# Allegro board Microroc_Hardroc2b_Test_Board.brd (continued)
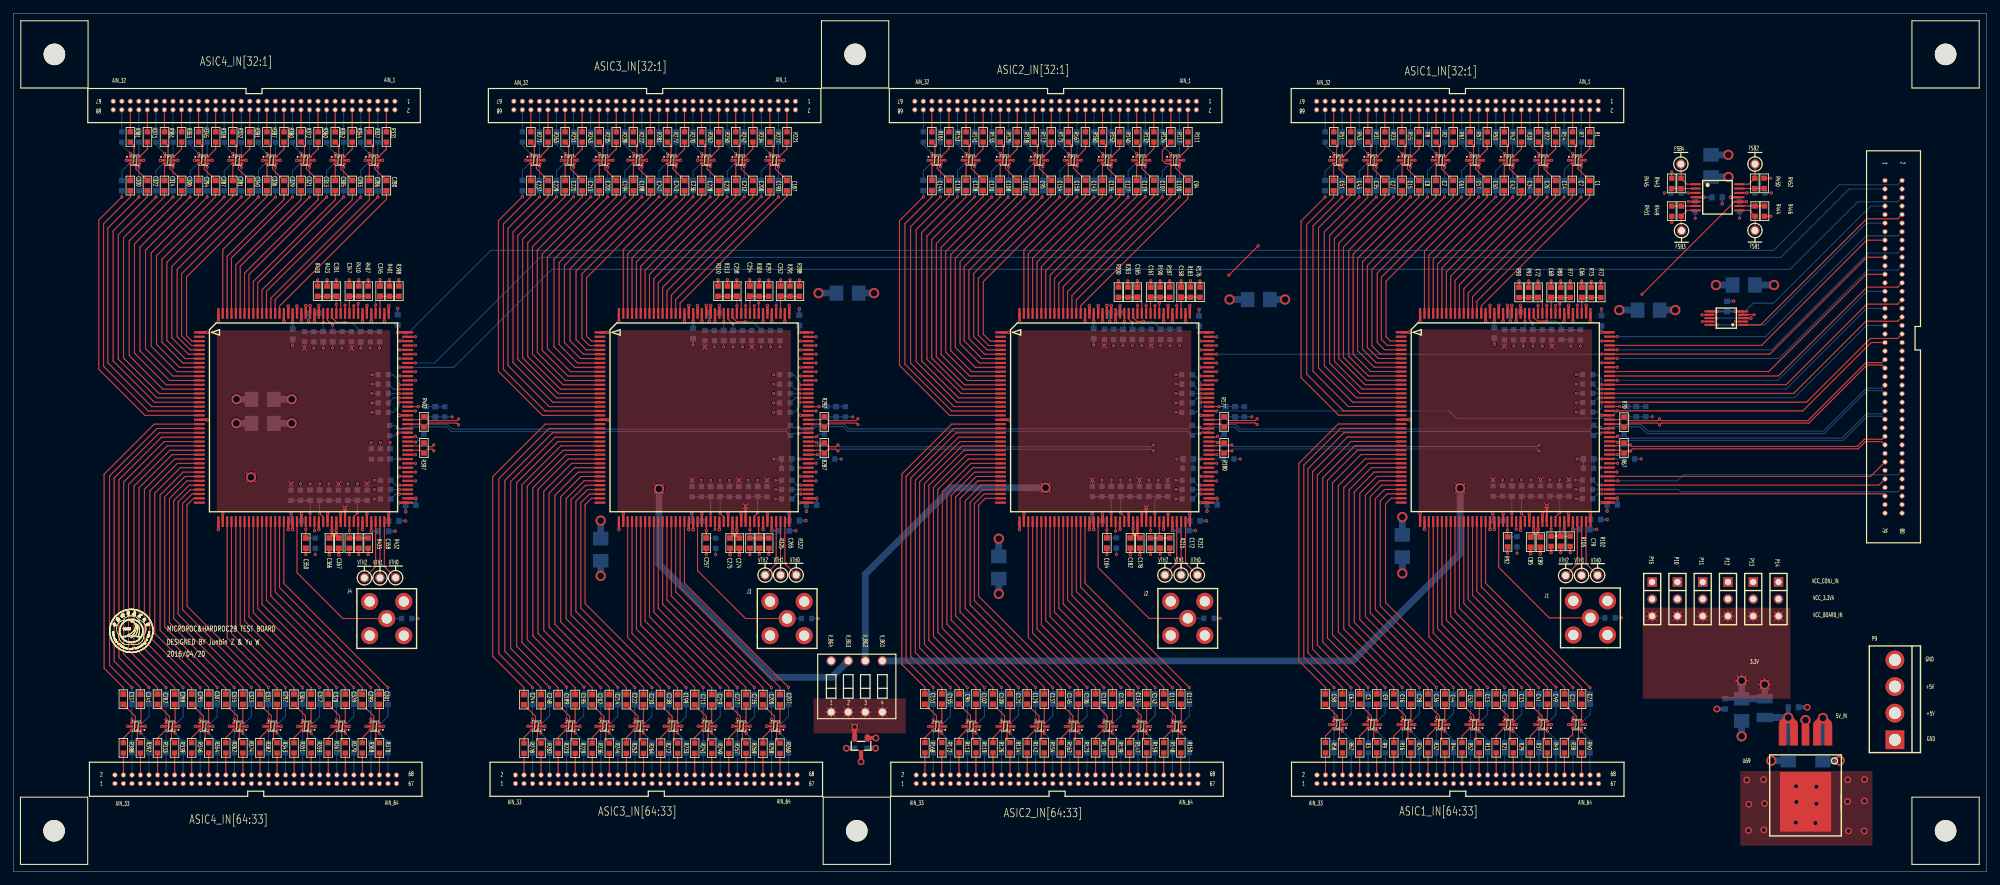
[diagram p0: board, top side]
## Routing (per net, layer and track width the routed paths; a pad name or vN(x,y) marks a point on that pad's centre or on a via; arc(x,y) is an arc through that point) (continued)
PWR_ON_A: length 230.7
  TOP w0.152: U34.89 177.87,60.14 v1(176.73,60.14) ; U17.89 v1(236.28,60.14) ; U51.89 118.26,60.14 v1(117.09,60.14) ; v1(57.52,60.14) 58.66,60.14 U68.89
  SIG w0.152: v1(57.52,60.14) v1(117.09,60.14) v1(176.73,60.14) v1(236.28,60.14) 270.86,60.14 276.15,65.43 280.42,65.43 U71.60
PWR_ON_ADC: length 227
  TOP w0.152: U68.88 v1(59.83,59.47) ; U34.88 177.91,59.49 v1(179.05,59.49) ; v1(119.43,59.49) 118.29,59.49 U51.88 ; U17.88 v1(238.61,59.49)
  SIG w0.152: v1(59.83,59.47) 59.84,59.49 v1(119.43,59.49) v1(179.05,59.49) v1(238.61,59.49) 273.81,59.49 275.95,61.62 280.42,61.62 U71.66
PWR_ON_D: length 229.7
  TOP w0.152: U34.90 177.91,60.79 v1(179.05,60.79) ; v1(119.43,60.79) 118.29,60.79 U51.90 ; U17.90 v1(238.73,60.79) ; U68.90 v1(59.83,60.77)
  SIG w0.152: U71.54 280.39,69.22 275.89,69.22 267.47,60.79 v1(238.73,60.79) v1(179.05,60.79) v1(119.43,60.79) 59.84,60.79 v1(59.83,60.77)
PWR_ON_DAC: length 225.6
  TOP w0.152: U68.87 58.66,58.84 v1(57.43,58.84) ; U51.87 118.26,58.84 v1(117.09,58.84) ; U34.87 177.87,58.84 v1(176.73,58.84) ; v1(236.39,58.84) U17.87 276.37,58.84 U71.67
  SIG w0.152: v1(236.39,58.84) v1(176.73,58.84) v1(117.09,58.84) v1(57.43,58.84)
RAZ_CHNN: length 230.6
  TOP w0.152: v1(119.55,64.78) 119.44,64.67 U51.96 ; U68.96 59.52,64.67 59.66,64.82 v1(59.83,64.82) ; U34.96 179.03,64.67 v1(179.17,64.82) ; U17.96 238.58,64.69 v1(238.73,64.84)
  SIG w0.152: v1(59.83,64.82) 60.11,64.54 119.3,64.54 v1(119.55,64.78) 119.81,64.52 124.59,64.52 124.6,64.53 178.88,64.53 v1(179.17,64.82) 179.45,64.54 238.43,64.54 v1(238.73,64.84)
  BOTTOM w0.152: v1(238.73,64.84) 239.39,64.84 R68.2 240.26,64.54 272.12,64.54 275.72,68.15 278.05,68.15 U71.55 ; R181.2 179.85,64.82 v1(179.17,64.82) ; R399.2 60.49,64.53 60.18,64.53 59.89,64.82 v1(59.83,64.82) ; v1(119.55,64.78) 119.89,65.13 R289.2
RAZ_CHNP: length 230.5
  TOP w0.152: U34.95 179.03,64.02 v1(179.17,63.88) ; v1(119.55,63.9) 119.42,64.02 U51.95 ; U68.95 59.58,64.02 59.66,63.94 v1(59.83,63.94) ; U17.95 238.6,64.04 v1(238.73,63.91)
  SIG w0.152: v1(238.73,63.91) 238.46,64.19 179.48,64.19 v1(179.17,63.88) 178.88,64.17 124.74,64.17 124.74,64.16 119.81,64.16 v1(119.55,63.9) 119.26,64.19 60.08,64.19 v1(59.83,63.94)
  BOTTOM w0.152: v1(59.83,63.94) 59.94,63.94 60.18,64.18 60.51,64.18 R399.1 ; U71.57 278.05,67.79 275.87,67.79 272.26,64.19 240.26,64.19 R68.1 239.37,63.91 v1(238.73,63.91) ; v1(179.17,63.88) 179.88,63.88 R181.1 ; R289.1 119.84,63.6 v1(119.55,63.9)
REF_2.5V: length 35.5
  TOP w0.127: 126.09,24.42 SW1.3 ; SW1.3 127.44,23.08 ; SW1.3 125.89,23.75 ; SW1.3 126.09,23.08 ; SW1.3 126.76,22.87 ; SW1.3 126.76,24.63 ; SW1.3 127.64,23.75 ; SW1.3 127.44,24.42 ; SW1.1 122.56,23.75 ; SW1.1 121.68,24.63 ; SW1.1 121.68,22.87 ; SW1.1 121.01,23.08 ; SW1.1 122.36,23.08 ; SW1.1 121.01,24.42 ; SW1.1 120.81,23.75 ; SW1.1 122.36,24.42 ; 124.65,21 v4(125.18,21.54) ; v4(125.18,21.54) 125.72,21 ; v4(125.18,21.54) 124.65,22.07 ; v4(125.18,21.54) 125.72,22.07 ; SW1.4 129.3,24.63 ; SW1.4 129.98,24.42 ; SW1.4 129.3,22.87 ; SW1.4 129.98,23.08 ; SW1.4 128.63,24.42 ; SW1.4 128.63,23.08 ; SW1.4 128.43,23.75 ; SW1.4 130.18,23.75 ; 124.22,22.87 SW1.2 ; SW1.2 124.22,24.63 ; SW1.2 123.35,23.75 ; SW1.2 123.55,23.08 ; SW1.2 123.55,24.42 ; SW1.2 124.9,24.42 ; SW1.2 124.9,23.08 ; SW1.2 125.1,23.75
  TOP w0.61: U70.2 v4(125.18,21.54)
  BOTTOM w0.61: v4(125.18,21.54) 125.18,19.9 C379.1
RESET_B: length 231.5
  TOP w0.152: v1(119.43,68.57) U51.102 ; U17.102 v1(238.67,68.59) 266.28,68.59 276.45,78.77 U71.39 ; v1(179.05,68.57) U34.102 ; U68.102 v1(59.83,68.57)
  SIG w0.152: v1(179.05,68.57) 175.81,68.57 174.04,66.8 135.38,66.8 133.61,68.57 v1(119.43,68.57) 115.64,68.57 113.77,66.7 75.79,66.7 73.92,68.57 v1(59.83,68.57)
  BOTTOM w0.152: v1(179.05,68.57) 213.65,68.57 214.74,67.48 237.54,67.48 238.64,68.59 v1(238.67,68.59)
RST_COUNTERB: length 232.2
  TOP w0.152: v1(179.05,73.12) U34.109 ; U17.109 v1(238.66,73.14) ; U68.109 v1(59.83,73.12) ; v1(119.43,73.12) U51.109
  SIG w0.152: v1(59.83,73.12) 74.24,73.12 75.64,74.52 115.36,74.52 116.76,73.12 v1(119.43,73.12) 134.57,73.12 135.89,74.45 174.09,74.45 175.42,73.12 v1(179.05,73.12) 190.75,73.12 192.15,74.52 234.77,74.52 236.16,73.14 v1(238.66,73.14)
  BOTTOM w0.152: U71.27 275.82,86.39 262.57,73.14 v1(238.66,73.14)
SELECT: length 233.9
  TOP w0.152: U17.114 v1(238.66,76.39) ; v1(176.73,76.38) 176.74,76.37 U34.114 ; v1(57.52,76.37) U68.114 ; v1(117.12,76.37) U51.114
  SIG w0.152: v1(57.52,76.37) v1(117.12,76.37) 119.43,76.37 119.44,76.38 v1(176.73,76.38) 238.65,76.38 v1(238.66,76.39)
  BOTTOM w0.152: v1(238.66,76.39) 262.72,76.39 275.89,89.56 280.42,89.56 U71.22
SR_CK: length 235.5
  TOP w0.152: U17.116 v1(238.66,77.69) ; v1(117.12,77.67) U51.116 ; v1(57.52,77.67) U68.116 ; v1(176.73,77.67) U34.116
  SIG w0.152: v1(238.66,77.69) 236.33,77.69 235.03,78.99 189.53,78.99 188.21,77.67 v1(176.73,77.67) v1(117.12,77.67) v1(57.52,77.67)
  BOTTOM w0.152: U71.18 280.42,92.1 276.05,92.1 261.64,77.69 v1(238.66,77.69)
SR_IN: length 47.5
  TOP w0.152: U71.15 275.79,94.01 260.13,78.34 U17.117
SR_OUT: length 234.6
  TOP w0.152: v1(57.52,78.97) 58.67,78.97 U68.118
  BOTTOM w0.152: U71.2 280.42,102.26 271.7,102.26 261.92,92.48 71.03,92.48 v1(57.52,78.97)
SR_RSTB: length 228.1
  TOP w0.152: v1(236.35,77.04) U17.115 261.37,77.04 275.79,91.47 U71.19 ; v1(119.43,77.02) U51.115 ; v1(59.83,77.02) U68.115 ; v1(179.05,77.02) U34.115
  SIG w0.152: v1(179.05,77.02) v1(119.43,77.02) v1(59.83,77.02)
  BOTTOM w0.152: v1(179.05,77.02) 236.33,77.02 v1(236.35,77.04)
START_ACQ: length 230.9
  TOP w0.152: v1(179.05,62.07) U34.92 ; v1(59.83,62.07) U68.92 ; U17.92 v1(238.67,62.09) ; v1(119.61,62.07) U51.92
  SIG w0.152: U71.48 280.42,73.05 275.82,73.05 264.86,62.09 v1(238.67,62.09) 179.06,62.09 v1(179.05,62.07) v1(119.61,62.07) v1(59.83,62.07)
START_READOUT1: length 49.3
  TOP w0.152: U17.110 262.64,73.79 275.87,87.02 280.42,87.02 U71.26
START_READOUT2: length 47
  TOP w0.152: U71.23 275.69,88.93 261.21,74.44 U17.111
TRANSMITON1B: length 239.4
  TOP w0.152: U51.106 v1(117.02,71.17) ; U71.34 280.42,81.94 275.67,81.94 264.92,71.19 U17.106 v1(236.35,71.19) ; U34.106 v1(176.73,71.17) ; U68.106 v1(57.41,71.17)
  SIG w0.152: v1(236.35,71.19) 235.15,71.19 234.49,70.54 192.43,70.54 191.79,71.17 v1(176.73,71.17) 175.16,71.17 174.47,70.48 135.99,70.48 135.3,71.17 v1(117.02,71.17) 115.47,71.17 114.81,70.51 75.92,70.51 75.26,71.17 v1(57.41,71.17)
  BOTTOM w0.152: v1(236.35,71.19) 235.06,71.19 R83.2 ; v1(117.02,71.17) 115.57,71.17 R303.2 ; v1(176.73,71.17) 175.41,71.17 R193.2 ; v1(57.41,71.17) 55.81,71.17 R413.2
TRANSMITON2B: length 237.8
  TOP w0.152: U34.107 v1(176.73,71.82) ; U68.107 v1(57.41,71.82) ; U51.107 v1(117.03,71.82) ; U17.107 v1(236.35,71.84)
  SIG w0.152: v1(57.41,71.82) v1(117.03,71.82) v1(176.73,71.82) 236.33,71.82 v1(236.35,71.84)
  BOTTOM w0.152: U71.31 275.82,83.85 263.81,71.84 v1(236.35,71.84) 235.81,71.84 R84.2 ; R304.2 116.31,71.82 v1(117.03,71.82) ; R414.2 56.55,71.82 v1(57.41,71.82) ; v1(176.73,71.82) 176.16,71.82 R194.2
TRIG_EXT: length 228.3
  TOP w0.152: v1(59.83,58.17) 59.79,58.17 59.78,58.17 U68.86 ; v1(119.43,58.17) U51.86 ; U17.86 v1(238.76,58.19) ; v1(179.05,58.17) U34.86
  SIG w0.152: v1(238.76,58.19) 234.59,58.19 233.78,57.38 218.31,57.38 217.52,58.17 v1(179.05,58.17) 174.73,58.17 174.09,57.53 155.29,57.53 154.65,58.17 v1(119.43,58.17) 115.12,58.17 114.5,57.56 99.87,57.56 99.26,58.17 v1(59.83,58.17)
  BOTTOM w0.152: U71.70 280.42,59.08 248.54,59.08 247.65,58.19 v1(238.76,58.19)
V_BG1: length 125
  TOP w0.127: v1(220.19,58.34) 220.53,58.68 ; v1(220.19,58.34) 219.85,58.01 ; v1(220.19,58.34) 219.85,58.68 ; v1(220.19,58.34) 220.53,58.01 ; 221.53,77.89 v1(221.87,78.23) ; v1(221.87,78.23) 221.53,78.57 ; v1(221.87,78.23) 222.21,77.89 ; v1(221.87,78.23) 222.21,78.57 ; 231.16,58.68 v1(231.5,58.34) ; v1(231.5,58.34) 231.16,58.01 ; v1(231.5,58.34) 231.83,58.01 ; v1(231.5,58.34) 231.83,58.68 ; v2(228.18,54.46) 228.53,54.1 ; v2(228.18,54.46) 227.82,54.81 ; v2(228.18,54.46) 227.82,54.1 ; v2(228.18,54.46) 228.53,54.81 ; 226.92,58.68 v1(227.25,58.34) ; v1(227.25,58.34) 227.59,58.68 ; v1(227.25,58.34) 226.92,58.01 ; v1(227.25,58.34) 227.59,58.01 ; 228.59,77.89 v1(228.93,78.23) ; v1(228.93,78.23) 229.26,77.89 ; v1(228.93,78.23) 229.26,78.57 ; v1(228.93,78.23) 228.59,78.57 ; v3(215.29,57.07) 216.01,57.79 ; v3(215.29,57.07) 216.01,56.36 ; v3(215.29,57.07) 214.58,56.36 ; v3(215.29,57.07) 214.58,57.79
  TOP w0.33: U17.70 v2(228.18,54.46)
  BOTTOM w0.152: v1(228.93,78.23) R88.1 ; R94.1 v1(221.87,78.23) ; R109.1 v1(231.5,58.34) ; R107.1 v1(227.25,58.34) ; R101.1 v1(220.19,58.34)
  BOTTOM w1.016: v3(215.29,57.07) 215.29,47.35 199.31,31.37 SW1.5
V_BG2: length 67.5
  TOP w0.127: v1(162.33,78.28) 162.67,78.62 ; v1(162.33,78.28) 162.67,77.94 ; v1(162.33,78.28) 161.99,78.62 ; v1(162.33,78.28) 161.99,77.94 ; 171.42,58.63 v1(171.75,58.29) ; v1(171.75,58.29) 172.09,58.63 ; v1(171.75,58.29) 172.09,57.95 ; v1(171.75,58.29) 171.42,57.95 ; 168.98,77.94 v1(169.32,78.28) ; v1(169.32,78.28) 168.98,78.62 ; v1(169.32,78.28) 169.65,77.94 ; v1(169.32,78.28) 169.65,78.62 ; 152.88,56.43 v3(153.59,57.15) ; v3(153.59,57.15) 154.31,57.87 ; v3(153.59,57.15) 152.88,57.87 ; v3(153.59,57.15) 154.31,56.43 ; v1(160.55,58.29) 160.89,58.63 ; v1(160.55,58.29) 160.89,57.95 ; v1(160.55,58.29) 160.22,57.95 ; v1(160.55,58.29) 160.22,58.63 ; v2(168.57,54.23) 168.92,54.59 ; v2(168.57,54.23) 168.92,53.87 ; v2(168.57,54.23) 168.21,53.87 ; v2(168.57,54.23) 168.21,54.59 ; v1(167.56,58.29) 167.9,58.63 ; v1(167.56,58.29) 167.23,58.63 ; v1(167.56,58.29) 167.9,57.95 ; v1(167.56,58.29) 167.23,57.95
  TOP w0.33: U34.70 v2(168.57,54.23)
  BOTTOM w0.152: R204.1 v1(162.33,78.28) ; R219.1 v1(171.75,58.29) ; R198.1 v1(169.32,78.28) ; R217.1 v1(167.56,58.29) ; R211.1 v1(160.55,58.29)
  BOTTOM w1.016: v3(153.59,57.15) 139.65,57.15 126.76,44.27 SW1.6
V_BG3: length 70
  TOP w0.127: 100.63,58.61 v1(100.96,58.27) ; v1(100.96,58.27) 100.63,57.93 ; v1(100.96,58.27) 101.3,57.93 ; v1(100.96,58.27) 101.3,58.61 ; 108.6,54.76 v2(108.95,54.41) ; v2(108.95,54.41) 109.31,54.05 ; v2(108.95,54.41) 108.6,54.05 ; v2(108.95,54.41) 109.31,54.76 ; 95.35,57.69 v3(96.06,56.97) ; v3(96.06,56.97) 95.35,56.26 ; v3(96.06,56.97) 96.78,57.69 ; v3(96.06,56.97) 96.78,56.26 ; 109.54,78.44 v1(109.88,78.11) ; v1(109.88,78.11) 110.22,77.77 ; v1(109.88,78.11) 109.54,77.77 ; v1(109.88,78.11) 110.22,78.44 ; 111.8,58.61 v1(112.14,58.27) ; v1(112.14,58.27) 111.8,57.93 ; v1(112.14,58.27) 112.48,57.93 ; v1(112.14,58.27) 112.48,58.61 ; v1(107.95,58.27) 108.29,58.61 ; v1(107.95,58.27) 107.61,57.93 ; v1(107.95,58.27) 108.29,57.93 ; v1(107.95,58.27) 107.61,58.61 ; v1(102.9,78.11) 103.23,78.44 ; v1(102.9,78.11) 103.23,77.77 ; v1(102.9,78.11) 102.56,77.77 ; v1(102.9,78.11) 102.56,78.44
  TOP w0.33: U51.70 v2(108.95,54.41)
  BOTTOM w0.152: R321.1 v1(100.96,58.27) ; R327.1 v1(107.95,58.27) ; R314.1 v1(102.9,78.11) ; R329.1 v1(112.14,58.27) ; R308.1 v1(109.88,78.11)
  BOTTOM w1.016: SW1.7 121.79,28.93 112.93,28.93 96.06,45.8 v3(96.06,56.97)
V_BG4: length 126.9
  TOP w0.127: 42.97,78.27 v1(43.31,77.93) ; v1(43.31,77.93) 43.65,77.59 ; v1(43.31,77.93) 42.97,77.59 ; v1(43.31,77.93) 43.65,78.27 ; 48.99,54.51 v2(49.35,54.15) ; v2(49.35,54.15) 48.99,53.8 ; v2(49.35,54.15) 49.7,54.51 ; v2(49.35,54.15) 49.7,53.8 ; 40.96,57.4 v1(41.3,57.73) ; v1(41.3,57.73) 41.64,57.4 ; v1(41.3,57.73) 40.96,58.07 ; v1(41.3,57.73) 41.64,58.07 ; v3(35.36,58.7) 36.07,59.41 ; v3(35.36,58.7) 34.64,59.41 ; v3(35.36,58.7) 36.07,57.98 ; v3(35.36,58.7) 34.64,57.98 ; 49.95,77.59 v1(50.29,77.93) ; v1(50.29,77.93) 50.63,78.27 ; v1(50.29,77.93) 50.63,77.59 ; v1(50.29,77.93) 49.95,78.27 ; 52.27,58.07 v1(52.6,57.73) ; v1(52.6,57.73) 52.94,57.4 ; v1(52.6,57.73) 52.27,57.4 ; v1(52.6,57.73) 52.94,58.07 ; 48.02,58.07 v1(48.36,57.73) ; v1(48.36,57.73) 48.7,58.07 ; v1(48.36,57.73) 48.02,57.4 ; v1(48.36,57.73) 48.7,57.4
  TOP w0.33: U68.70 v2(49.35,54.15)
  SIG w1.016: v3(35.36,58.7) 35.36,46.94 50.93,31.37 SW1.8
  BOTTOM w0.152: R424.1 v1(43.31,77.93) ; R437.1 v1(48.36,57.73) ; R418.1 v1(50.29,77.93) ; R431.1 v1(41.3,57.73) ; R439.1 v1(52.6,57.73)
VAL_EVTN: length 234.4
  TOP w0.152: v1(122.7,63.51) 122.44,63.25 121.26,63.25 R287.2 120.22,63.37 U51.94 ; U34.94 179.7,63.37 R180.2 180.54,63.45 181.23,63.45 v1(181.31,63.52) ; U68.94 60.63,63.37 R397.2 61.67,63.25 62.28,63.25 v1(62.56,63.53) ; U17.94 239.23,63.39 R67.2 240.01,63.5 v1(240.64,63.5) 240.84,63.3 274.37,63.3 275.44,64.36 278.08,64.36 U71.61
  SIG w0.152: v1(169.67,63.51) 169.94,63.25 181.03,63.25 v1(181.31,63.52) ; v1(227.05,63.5) 227.3,63.25 240.34,63.25 240.59,63.5 v1(240.64,63.5) ; v1(62.56,63.53) 62.84,63.25 122.44,63.25 v1(122.7,63.51)
  BOTTOM w0.152: v1(169.67,63.51) 169.41,63.25 122.97,63.25 v1(122.7,63.51) ; v1(181.31,63.52) 181.55,63.27 226.83,63.27 v1(227.05,63.5)
VAL_EVTP: length 234.4
  TOP w0.152: v1(122.7,62.63) 122.44,62.89 121.26,62.89 R287.1 120.26,62.72 U51.93 ; U17.93 239.24,62.74 R67.1 239.98,62.61 v1(240.64,62.61) 240.64,62.66 240.92,62.94 274.52,62.94 275.58,64.01 278.03,64.01 U71.63 ; U34.93 179.75,62.72 R180.1 180.49,62.64 v1(181.31,62.64) ; U68.93 60.67,62.72 R397.1 61.67,62.89 62.31,62.89 v1(62.56,62.64)
  SIG w0.152: v1(62.56,62.64) 62.81,62.89 122.44,62.89 v1(122.7,62.63) ; v1(181.31,62.64) 181.05,62.89 169.94,62.89 v1(169.67,62.63) ; v1(227.05,62.61) 227.33,62.89 240.41,62.89 240.64,62.66 v1(240.64,62.61)
  BOTTOM w0.152: v1(169.67,62.63) 169.41,62.89 122.97,62.89 v1(122.7,62.63) ; v1(227.05,62.61) 226.75,62.92 181.58,62.92 v1(181.31,62.64)
VCASC_NMOS_ASIC1: length 6.8
  TOP w0.152: U17.65 224.93,52.77 v1(224.41,53.29)
  BOTTOM w0.152: R107.2 R108.1 C81.2 v1(224.41,53.29)
VCASC_NMOS_ASIC2: length 6.8
  TOP w0.152: v1(164.77,53.39) 165.32,52.84 U34.65
  BOTTOM w0.152: R217.2 R218.1 C183.2 v1(164.77,53.39)
VCASC_NMOS_ASIC3: length 6.7
  TOP w0.152: U51.65 105.7,52.79 v1(105.16,53.34)
  BOTTOM w0.152: v1(105.16,53.34) C276.2 R328.1 R327.2
VCASC_NMOS_ASIC4: length 6.2
  TOP w0.152: U68.65 46.1,52.79 v1(45.57,53.31)
  BOTTOM w0.152: R437.2 R438.1 C369.2 v1(45.57,53.31)
VCASC_PMOS_ASIC1: length 6.6
  TOP w0.152: U17.62 v1(222.98,53.27)
  BOTTOM w0.152: R101.2 R104.1 C78.2 222.98,55.87 v1(222.98,53.27)
VCASC_PMOS_ASIC2: length 6.6
  TOP w0.152: U34.62 v1(163.37,53.3)
  BOTTOM w0.152: R211.2 R214.1 C171.2 163.37,55.82 v1(163.37,53.3)
VCASC_PMOS_ASIC3: length 6.5
  TOP w0.152: U51.62 v1(103.75,53.3)
  BOTTOM w0.152: R321.2 R324.1 C264.2 103.75,55.8 v1(103.75,53.3)
VCASC_PMOS_ASIC4: length 6
  TOP w0.152: U68.62 v1(44.15,53.34)
  BOTTOM w0.152: R431.2 R434.1 C357.2 v1(44.15,53.34)
VGAIN_PA_ASIC1: length 4.7
  TOP w0.152: U17.61 v1(222.33,50.85) 222.33,49.88 R92.1
  BOTTOM w0.152: R89.2 C71.2 222.34,50.84 v1(222.33,50.85)
VGAIN_PA_ASIC2: length 5
  TOP w0.152: U34.61 v1(162.72,50.85) 162.72,49.69 C164.2
  BOTTOM w0.152: v1(162.72,50.85) 162.72,49.69 R202.1 R199.2
VGAIN_PA_ASIC3: length 5
  TOP w0.152: C257.2 103.1,49.66 v1(103.1,50.78) U51.61
  BOTTOM w0.152: R309.2 C257.2 103.1,49.66 v1(103.1,50.78)
VGAIN_PA_ASIC4: length 5.1
  TOP w0.152: U68.61 v1(43.5,50.94) 43.5,49.67 C350.2
  BOTTOM w0.152: v1(43.5,50.94) 43.5,49.67 C350.2 R419.2
VREF_FSB_ASIC1: length 5.3
  TOP w0.152: U17.136 v1(224.93,81.92)
  BOTTOM w0.152: v1(224.93,81.92) 224.93,80.94 C75.2 R97.1 R94.2
VREF_FSB_ASIC2: length 5.2
  TOP w0.152: U34.136 v1(165.32,81.94)
  BOTTOM w0.152: v1(165.32,81.94) 165.32,80.94 C167.2 R207.1 R204.2
VREF_FSB_ASIC3: length 5.3
  TOP w0.152: U51.136 v1(105.7,81.94)
  BOTTOM w0.152: v1(105.7,81.94) 105.7,80.58 C261.2 R317.1 R314.2
VREF_FSB_ASIC4: length 5.5
  TOP w0.152: U68.136 v1(46.1,81.76)
  BOTTOM w0.152: v1(46.1,81.76) 46.1,80.4 C353.2 R427.1 R424.2
VREF_SS_ASIC1: length 5.5
  TOP w0.152: v1(226.1,81.64) 225.58,82.16 U17.135
  BOTTOM w0.152: R88.2 R91.1 C70.2 v1(226.1,81.64)
VREF_SS_ASIC2: length 5.4
  TOP w0.152: U34.135 165.97,82.27 v1(166.52,81.71)
  BOTTOM w0.152: R198.2 R201.1 C163.2 v1(166.52,81.71)
VREF_SS_ASIC3: length 5.6
  TOP w0.152: v1(107.09,81.51) 106.35,82.24 U51.135
  BOTTOM w0.152: v1(107.09,81.51) C256.2 R311.1 R308.2
VREF_SS_ASIC4: length 5.8
  TOP w0.152: U68.135 46.75,82.08 v1(47.5,81.33)
  BOTTOM w0.152: v1(47.5,81.33) C349.2 R421.1 R418.2
VTH0_ASIC1: length 8.7
  TOP w0.152: TP1.1 234.03,45.84 U17.79
VTH0_ASIC2: length 8.7
  TOP w0.152: TP4.1 174.42,45.93 U34.79
VTH0_ASIC3: length 8.6
  TOP w0.152: TP7.1 114.8,45.84 U51.79
VTH0_ASIC4: length 9
  TOP w0.152: U68.79 55.2,45.43 TP10.1
VTH1_ASIC1: length 8
  TOP w0.152: U17.78 233.38,44.12 TP2.1
VTH1_ASIC2: length 7.9
  TOP w0.152: TP5.1 173.77,44.16 U34.78
VTH1_ASIC3: length 7.9
  TOP w0.152: TP8.1 114.15,44.17 U51.78
VTH1_ASIC4: length 8.4
  TOP w0.152: U68.78 54.55,43.73 TP11.1
VTH2_ASIC1: length 8.8
  TOP w0.152: U17.77 232.73,45.81 TP3.1
VTH2_ASIC2: length 8.7
  TOP w0.152: TP6.1 173.12,45.92 U34.77
VTH2_ASIC3: length 8.6
  TOP w0.152: TP9.1 113.5,45.79 U51.77
VTH2_ASIC4: length 9.1
  TOP w0.152: U68.77 53.9,45.4 TP12.1
N03951: length 64.8
  TOP w0.152: v1(176.73,73.77) U34.110 ; U17.112 v1(238.67,75.09)
  SIG w0.152: v1(176.73,73.77) 190.16,73.77 191.47,75.09 v1(238.67,75.09)
N03955: length 60.2
  TOP w0.152: U17.113 v1(236.35,75.74) ; v1(179.05,74.42) 179.02,74.42 179.02,74.42 U34.111
  SIG w0.152: v1(236.35,75.74) 191.11,75.74 189.79,74.42 v1(179.05,74.42)
N03959: length 60.5
  TOP w0.152: v1(179.05,78.32) U34.117 ; U17.118 v1(236.35,78.99)
  SIG w0.152: v1(179.05,78.32) 187.37,78.32 188.75,79.71 235.63,79.71 v1(236.35,78.99)
N03963: length 62.5
  TOP w0.152: v1(117.12,73.77) U51.110 ; U34.112 v1(176.73,75.07)
  SIG w0.152: v1(117.12,73.77) 133.82,73.77 135.12,75.07 v1(176.73,75.07)
N03967: length 62.5
  TOP w0.152: U51.111 118.28,74.42 v1(119.43,74.42) ; U34.113 v1(179.05,75.72)
  SIG w0.152: v1(119.43,74.42) 133.1,74.42 134.4,75.72 v1(179.05,75.72)
N03971: length 60.5
  TOP w0.152: v1(119.43,78.32) U51.117 ; U34.118 v1(176.73,78.97)
  SIG w0.152: v1(119.43,78.32) 122.95,78.32 124.33,79.71 176.01,79.71 176.73,78.98 v1(176.73,78.97)
N03975: length 62.5
  TOP w0.152: U51.112 v1(117.12,75.07) ; U68.110 58.66,73.79 v1(57.52,73.79)
  SIG w0.152: v1(57.52,73.79) 73.86,73.79 75.15,75.07 v1(117.12,75.07)
N03979: length 62.5
  TOP w0.152: U68.111 v1(59.83,74.42) ; U51.113 119.43,75.72 v1(119.43,75.72)
  SIG w0.152: v1(59.83,74.42) 73.51,74.42 74.8,75.72 v1(119.43,75.72)
N03983: length 59.9
  TOP w0.152: v1(59.83,78.32) U68.117 ; U51.118 v1(117.12,78.97)
  SIG w0.152: v1(59.83,78.32) 69.03,78.32 69.68,78.97 v1(117.12,78.97)
N167125: length 3.6
  TOP w0.152: U73.2 248.17,101.69 R443.1 R445.2
N167454: length 4.7
  TOP w0.152: U73.1 249.04,102.34 R443.2 248.16,105.31 TP13.1
N167612: length 3.5
  TOP w0.152: U73.6 248.19,99.09 R449.1 R451.2
N167619: length 4.7
  TOP w0.152: TP15.1 248.18,95.47 R449.2 249.06,98.44 U73.7
N167779: length 3.8
  TOP w0.152: U73.9 259.18,99.09 R444.1 R446.2
N167786: length 4.8
  TOP w0.152: TP14.1 259.18,95.47 R444.2 258.3,98.44 U73.8
N167942: length 3.7
  TOP w0.152: U73.13 259.12,101.69 R450.1 R452.2
N167949: length 4.8
  TOP w0.152: U73.14 258.25,102.34 R450.2 259.16,103.26 TP16.1
N175517: length 14.1
  TOP w1.016: U69.4 264.98,22.07 v3(264.11,22.94) 263.28,22.1 U69.5
  BOTTOM w0.61: C376.1 v3(264.11,22.94)
  BOTTOM w1.016: L1.1 v3(264.11,22.94) C374.1

## Copper pours and planes (outline as drawn; the poured copper is in the pictures)
5V_IN on POWER: 265.46,41.15 265.46,1.52 292.1,1.52 292.1,41.15
GND on TOP: 256.97,14.99 256.97,3.86 276.63,3.86 276.63,14.99
GND on GND1, GND2: 1.02,126.75 1.02,1.02 292.61,1.02 292.61,126.75
VCC3.3VA on POWER: 1.52,126.24 1.52,1.52 264.44,1.52 264.44,41.45 240.18,41.45 240.18,46.89 273.46,46.89 273.46,111.43 292.07,111.43 292.1,111.4 292.1,126.24
VCC_BRD_IN on TOP: 242.47,39.29 242.47,25.73 264.44,25.73 264.44,39.29
VCC_CON_IN on POWER: 274.47,110.39 292.1,110.39 292.1,42.32 241.2,42.32 241.2,45.87 274.47,45.87
REF_2.5V on TOP: 119.08,25.78 119.08,20.57 132.79,20.57 132.79,25.78
V_BG1 on TOP: 209.12,80.7 209.12,53.67 234.9,53.67 234.9,80.7
V_BG2 on TOP: 149.5,80.57 149.5,53.67 175.29,53.67 175.29,80.57
V_BG3 on TOP: 89.89,80.59 89.89,53.64 115.67,53.64 115.67,80.59
V_BG4 on TOP: 56.06,80.57 56.06,53.64 30.28,53.64 30.28,80.57

## Text on the board
Ref Des/Silkscreen Top: AIN_32 | AIN_33 | VTH2 | VTH1 | AIN_1 | AIN_64 | VTH0 | FSB4 | FSB3 | FSB2 | FSB1 | 3.3V | VCC_CONJ_IN | VCC_3.3VA | VCC_BOARD_IN | 5V_IN | GND | +5V | V_BG4 | V_BG3 | V_BG2 | V_BG1 | DESIGNED BY Junbin Z & Yu W | MICROROC&HARDROC2B TEST BOARD | 2016/04/20 | ASIC4_IN[64:33] | ASIC4_IN[32:1] | ASIC3_IN[32:1] | ASIC3_IN[64:33] | ASIC2_IN[32:1] | ASIC2_IN[64:33] | ASIC1_IN[64:33] | ASIC1_IN[32:1]
DIMENSION: TOP Differential Pairs | SIG Differential Pairs | Bottom Differential Pairs | FIGURE | SIZE | 8.0 | 10.0 | 20.0 | 24.0 | 36.0 | 40.0 | 60.0 | 70.0 | 126.0 | DRILL CHART: TOP to BOTTOM | ALL UNITS ARE IN MILS | PLATED | NON-PLATED | QTY | 725 | 244 | 624 | 25 | 18 | 24 | 32 | 20 | 1 | 3 | 6
